# Altium PCB WaterSupplyController.PcbDoc (part 1 of 2)
Units mm, origin at the board's own origin, x right, y up, seen from the top; angles counter-clockwise.
Board outline 96 x 90 mm, 2 copper layers (Top Layer, Bottom Layer), stack 1.569 mm thick; 174 components, 120 nets, 529 pads, 451 vias.
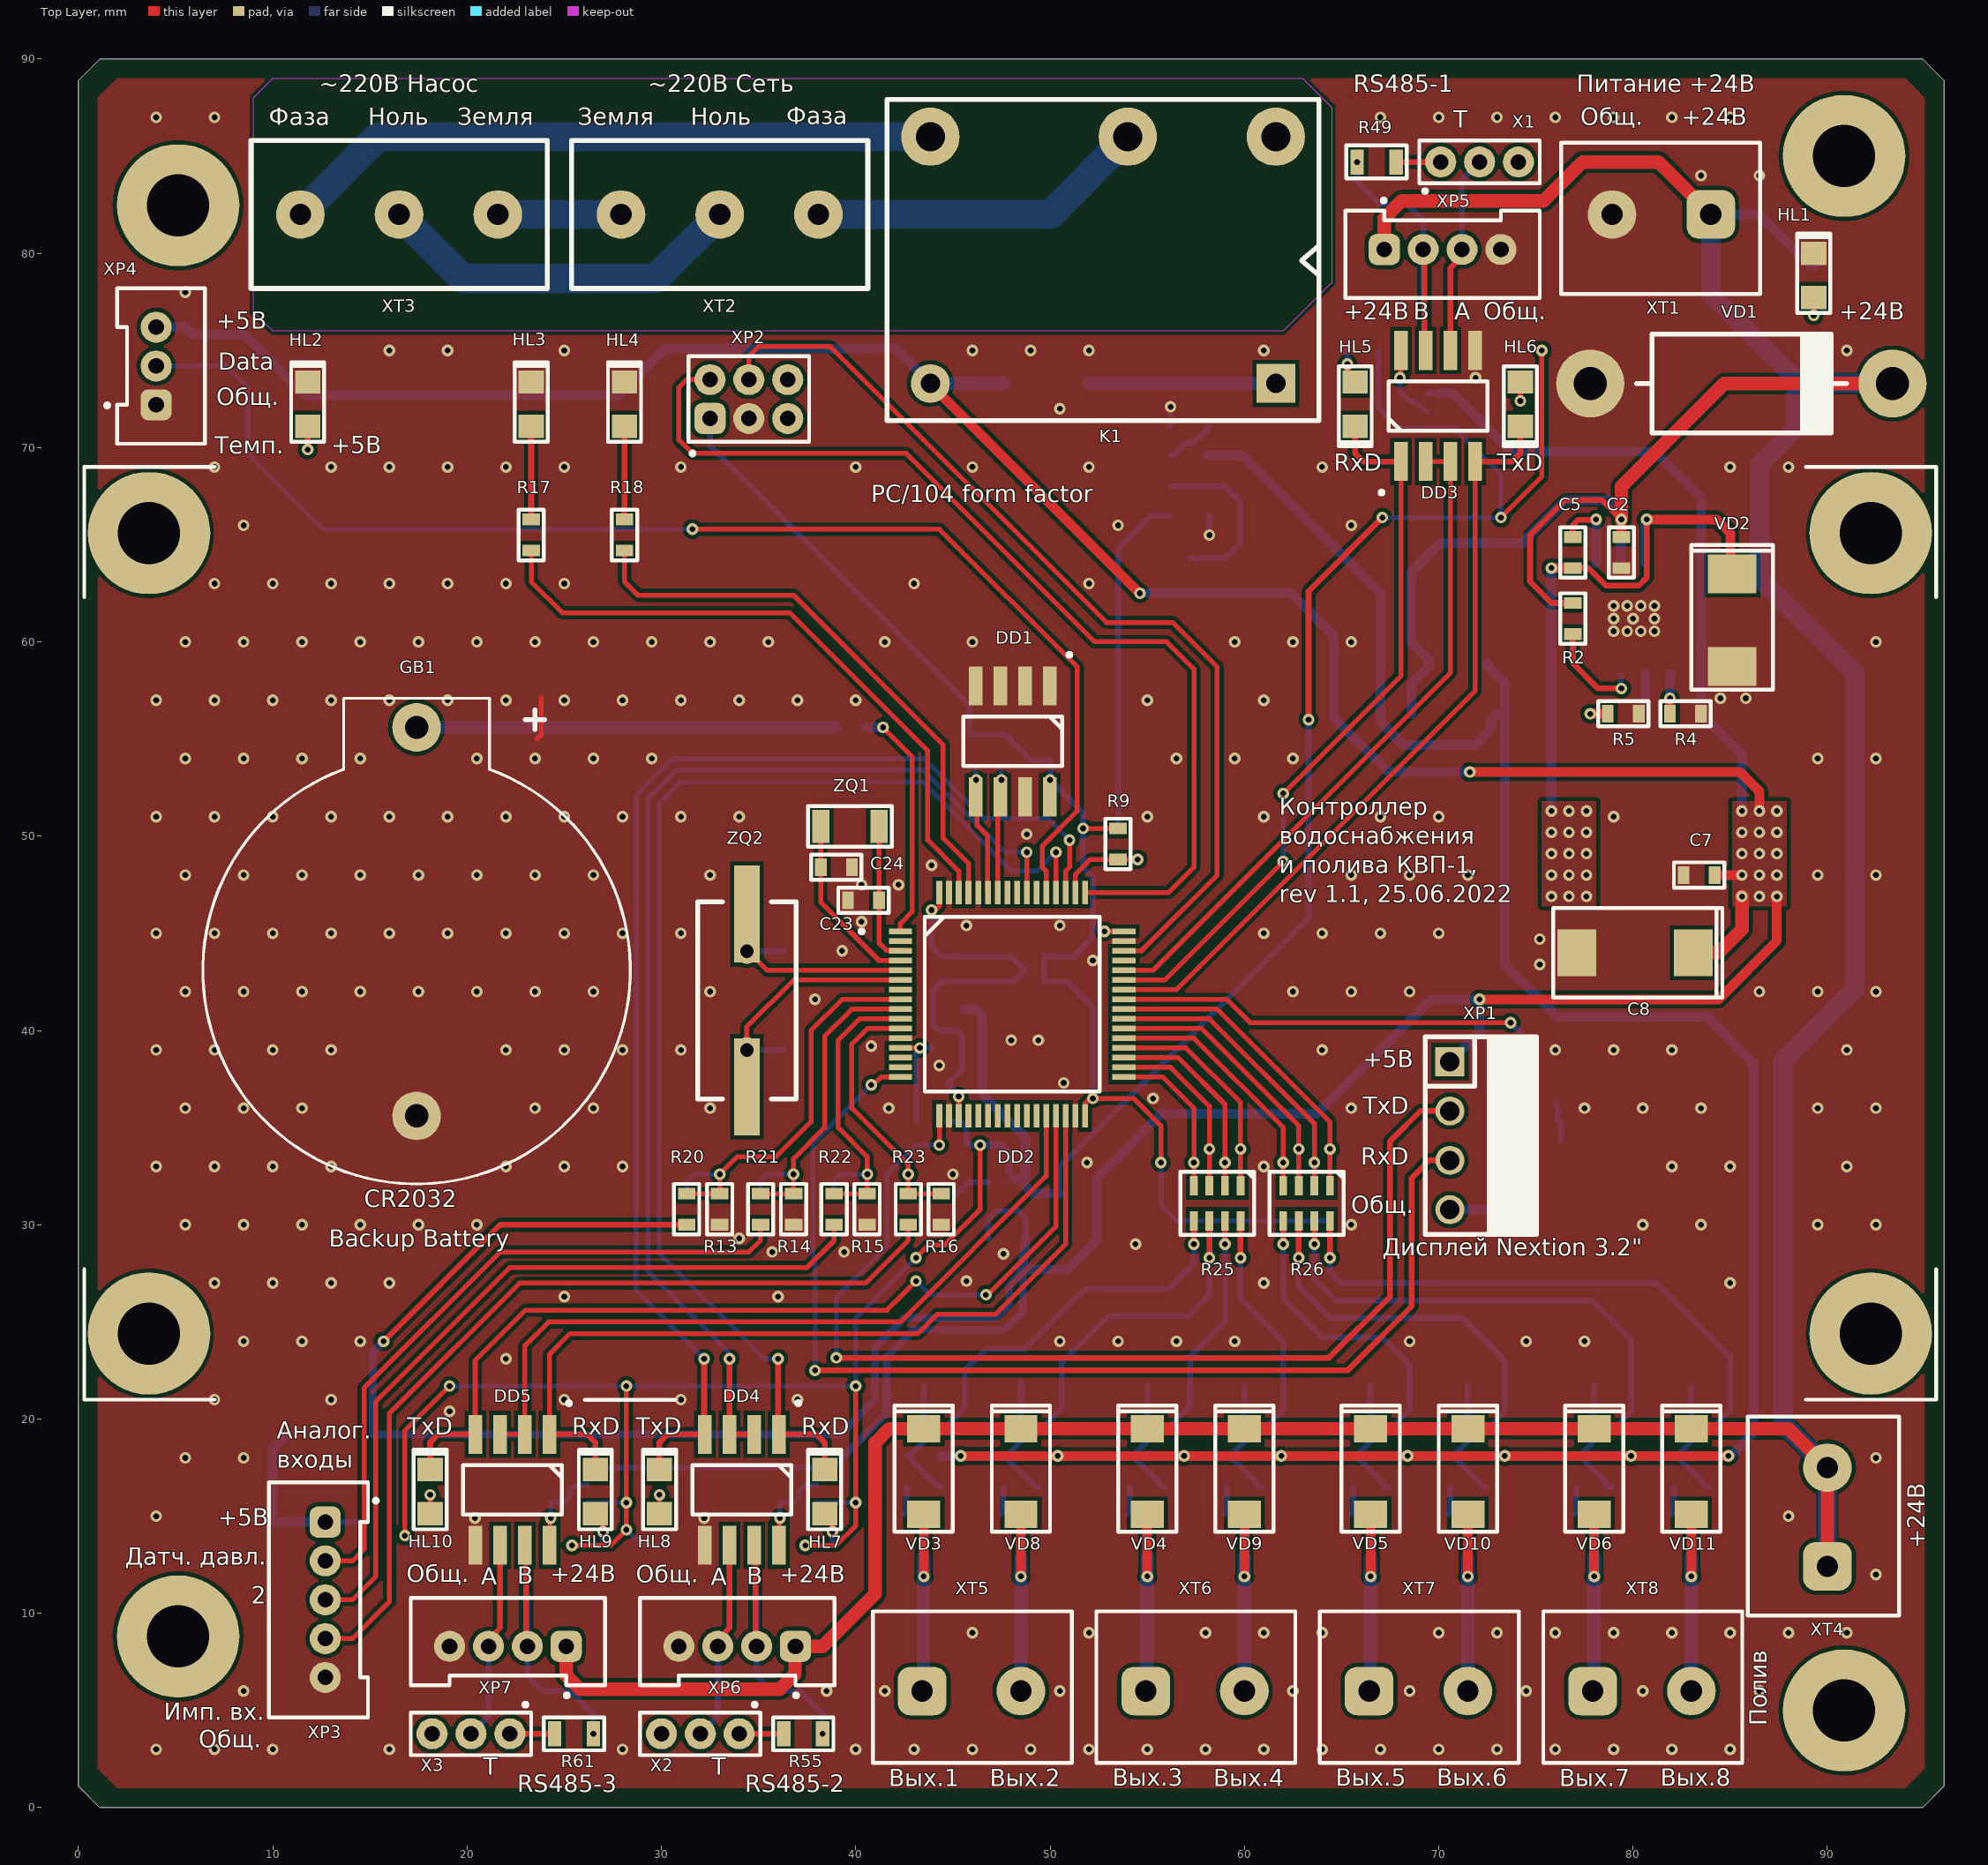
[diagram p0: Top Layer view]
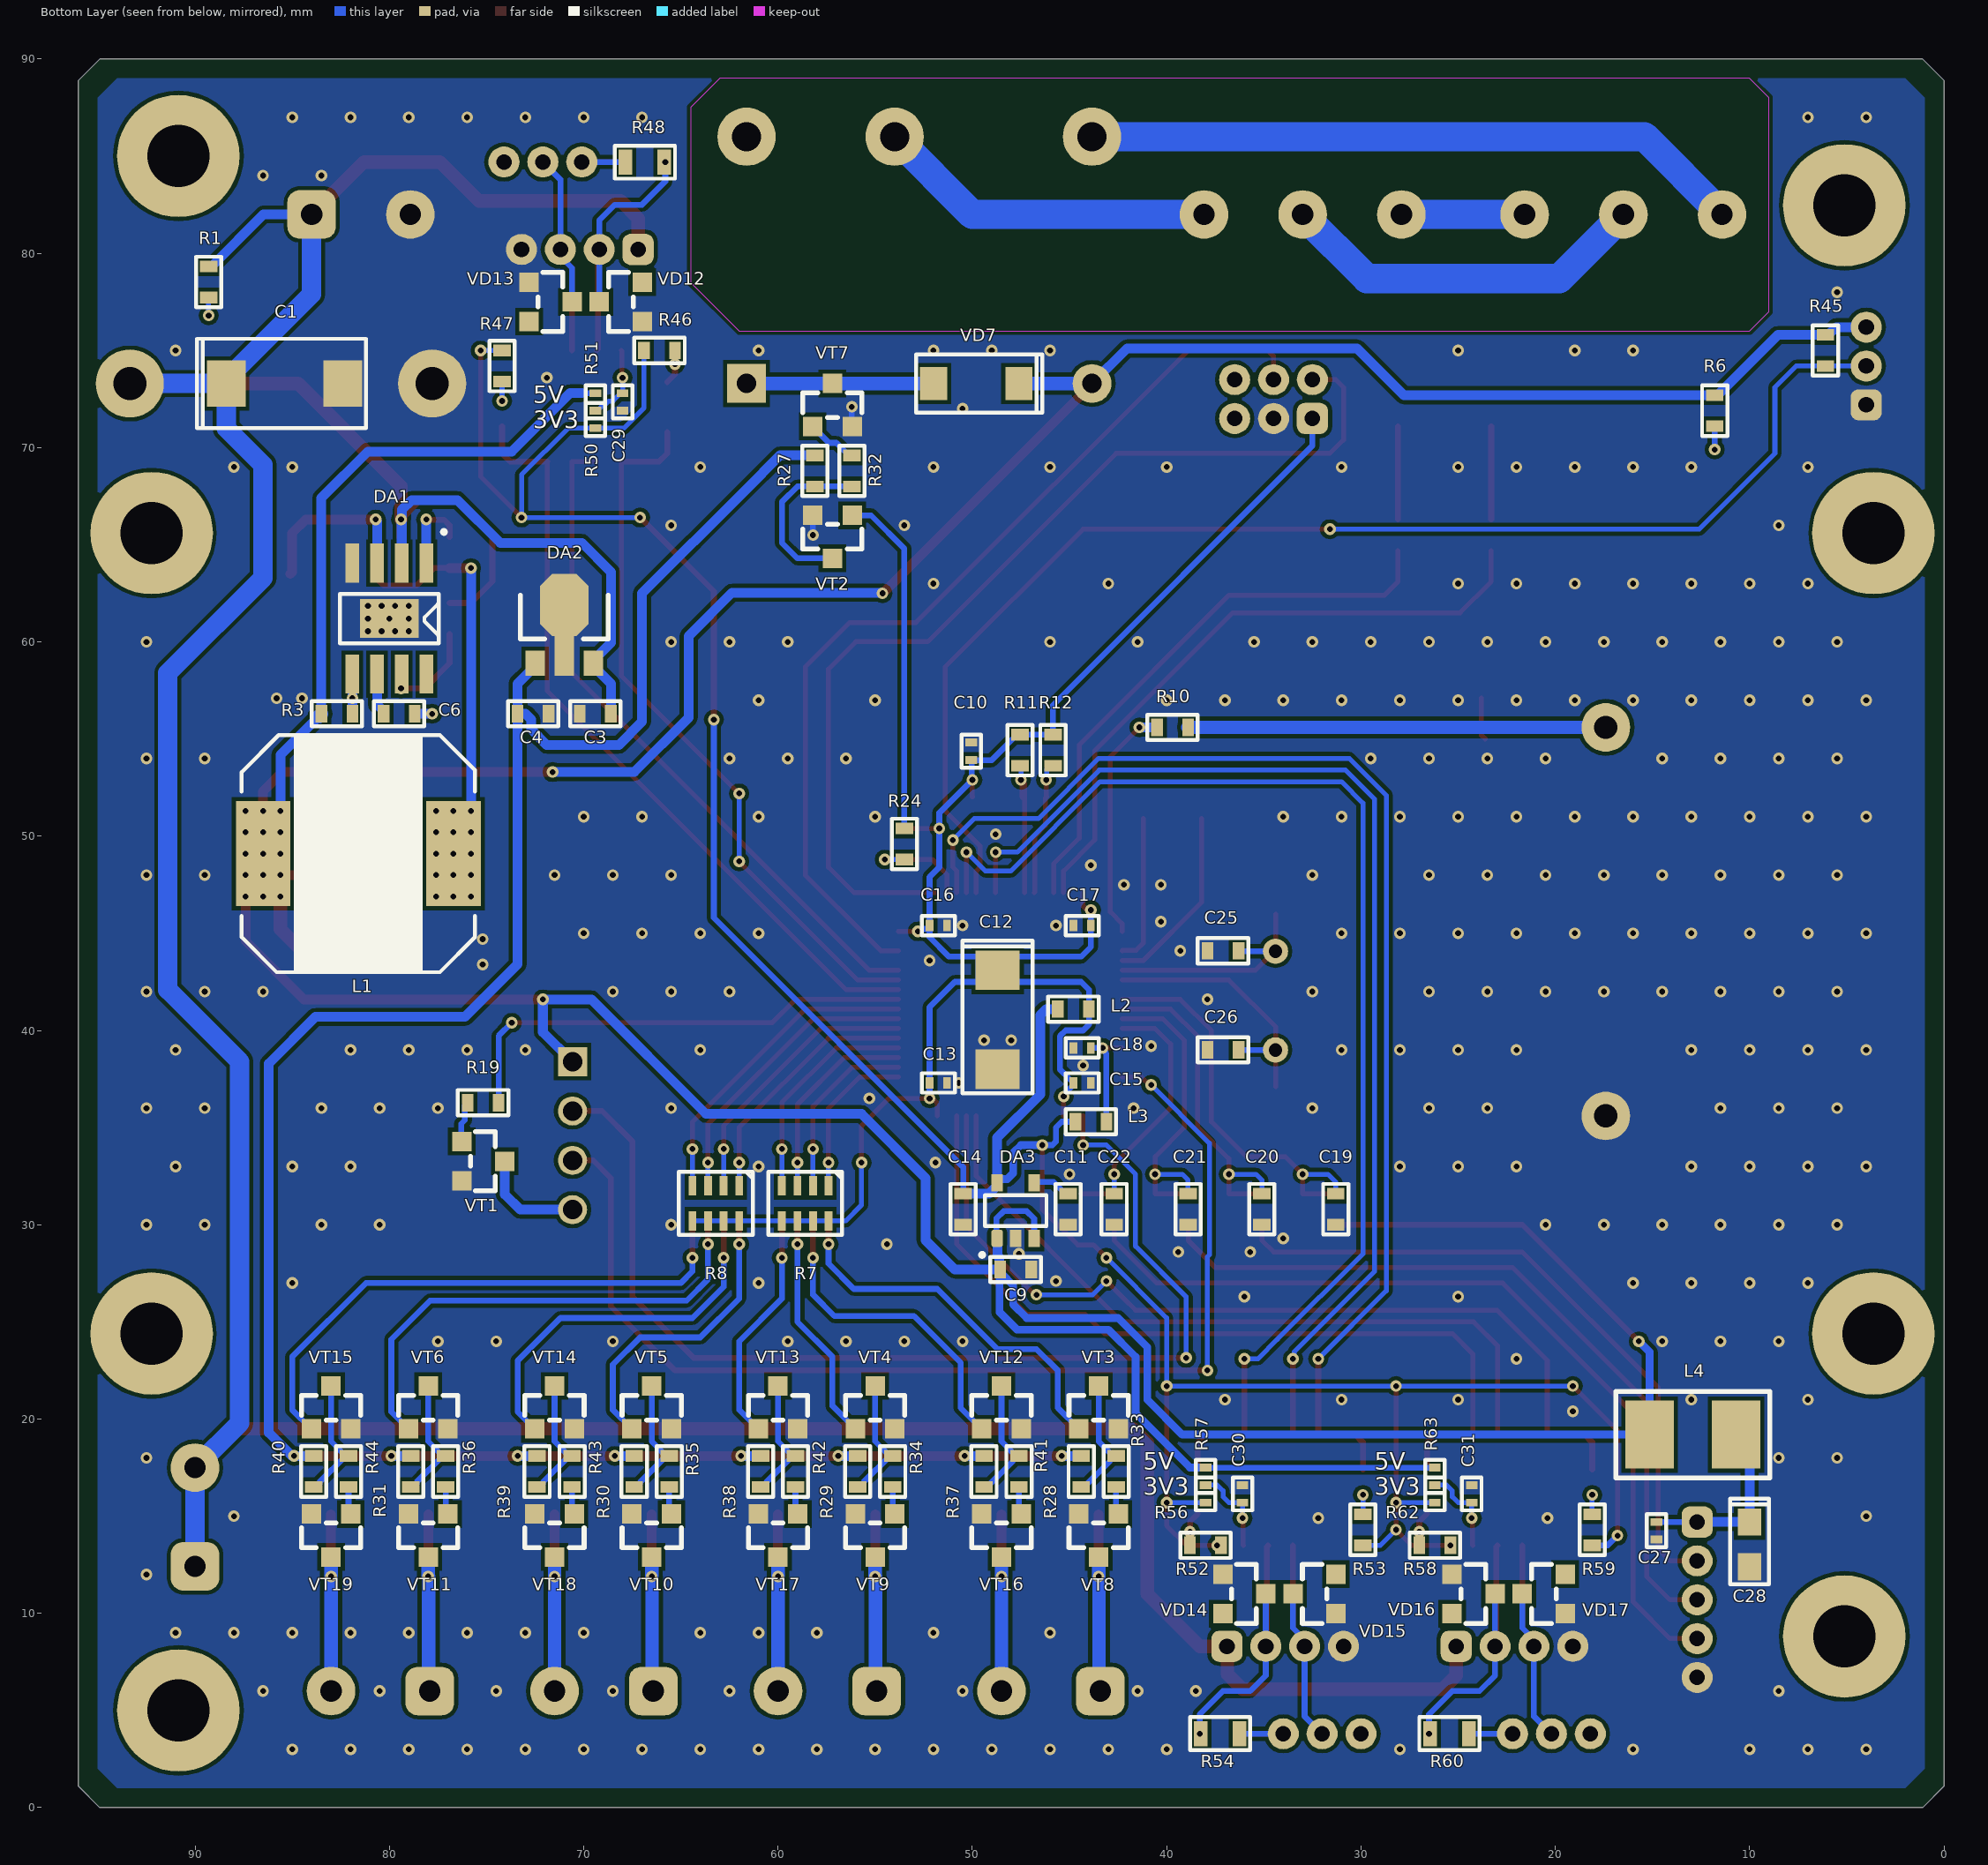
[diagram p1: Bottom Layer view, seen from below]
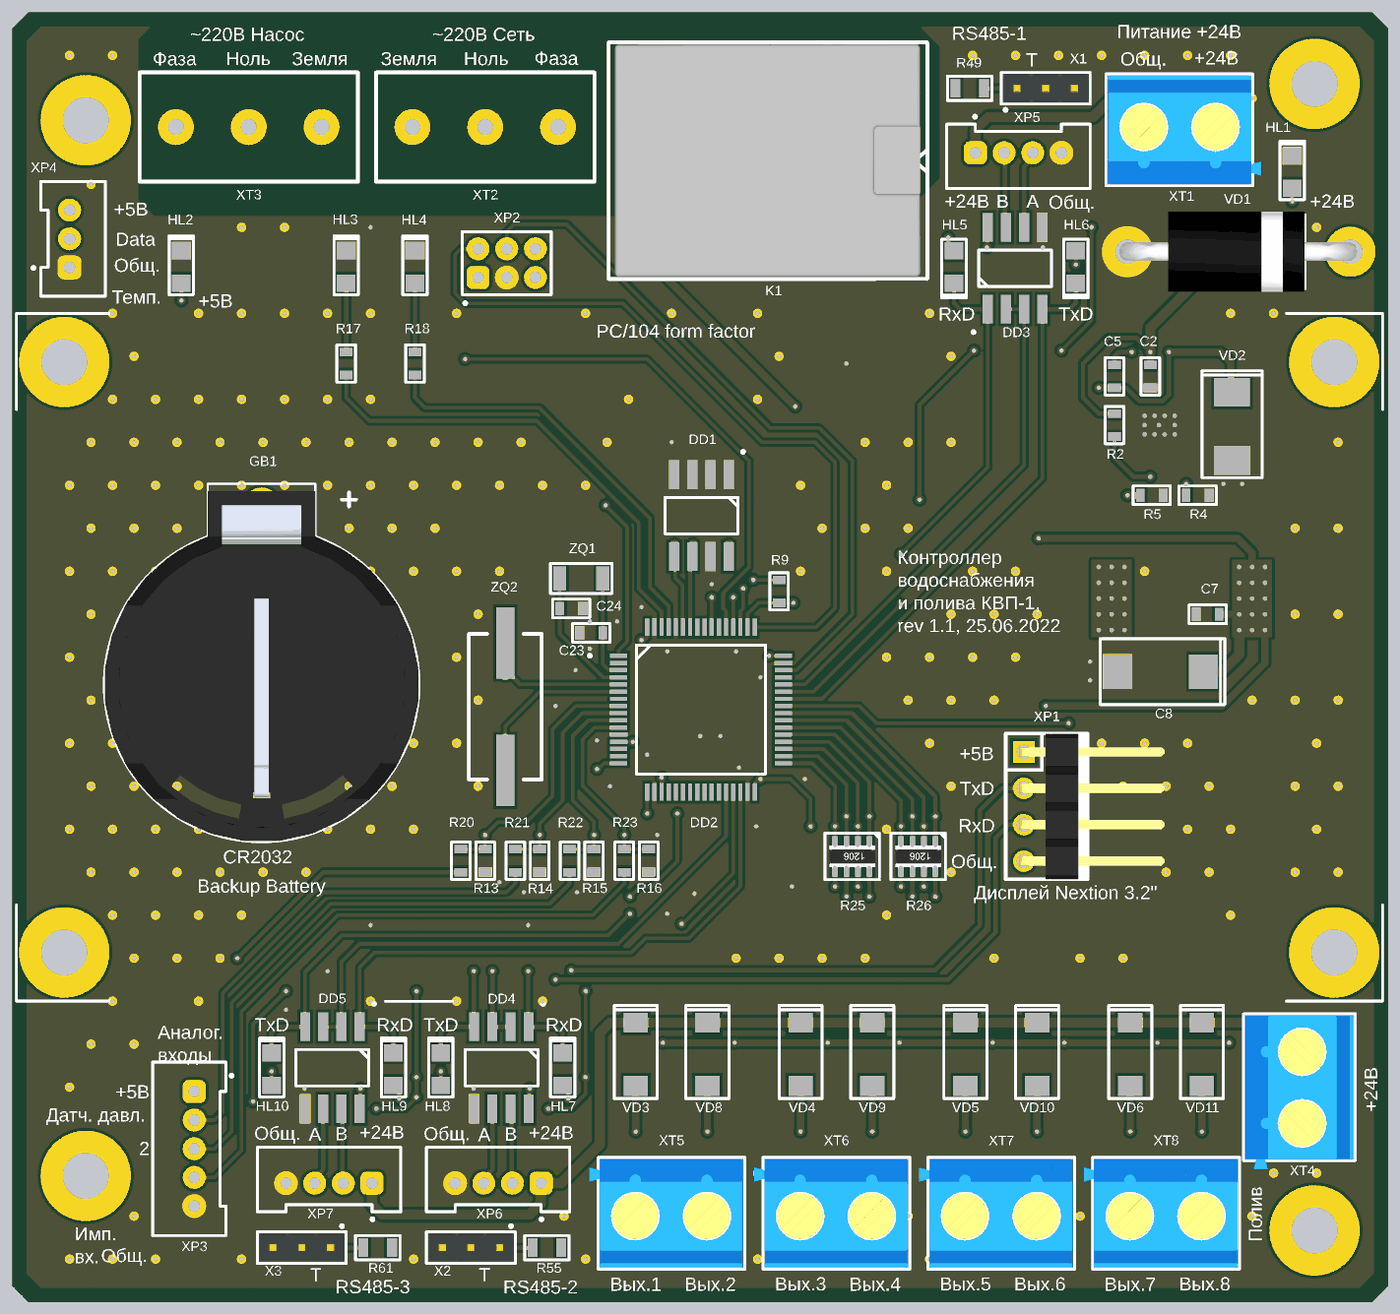
[diagram p3: 3D render of the assembled board from above, using the file's embedded part models]
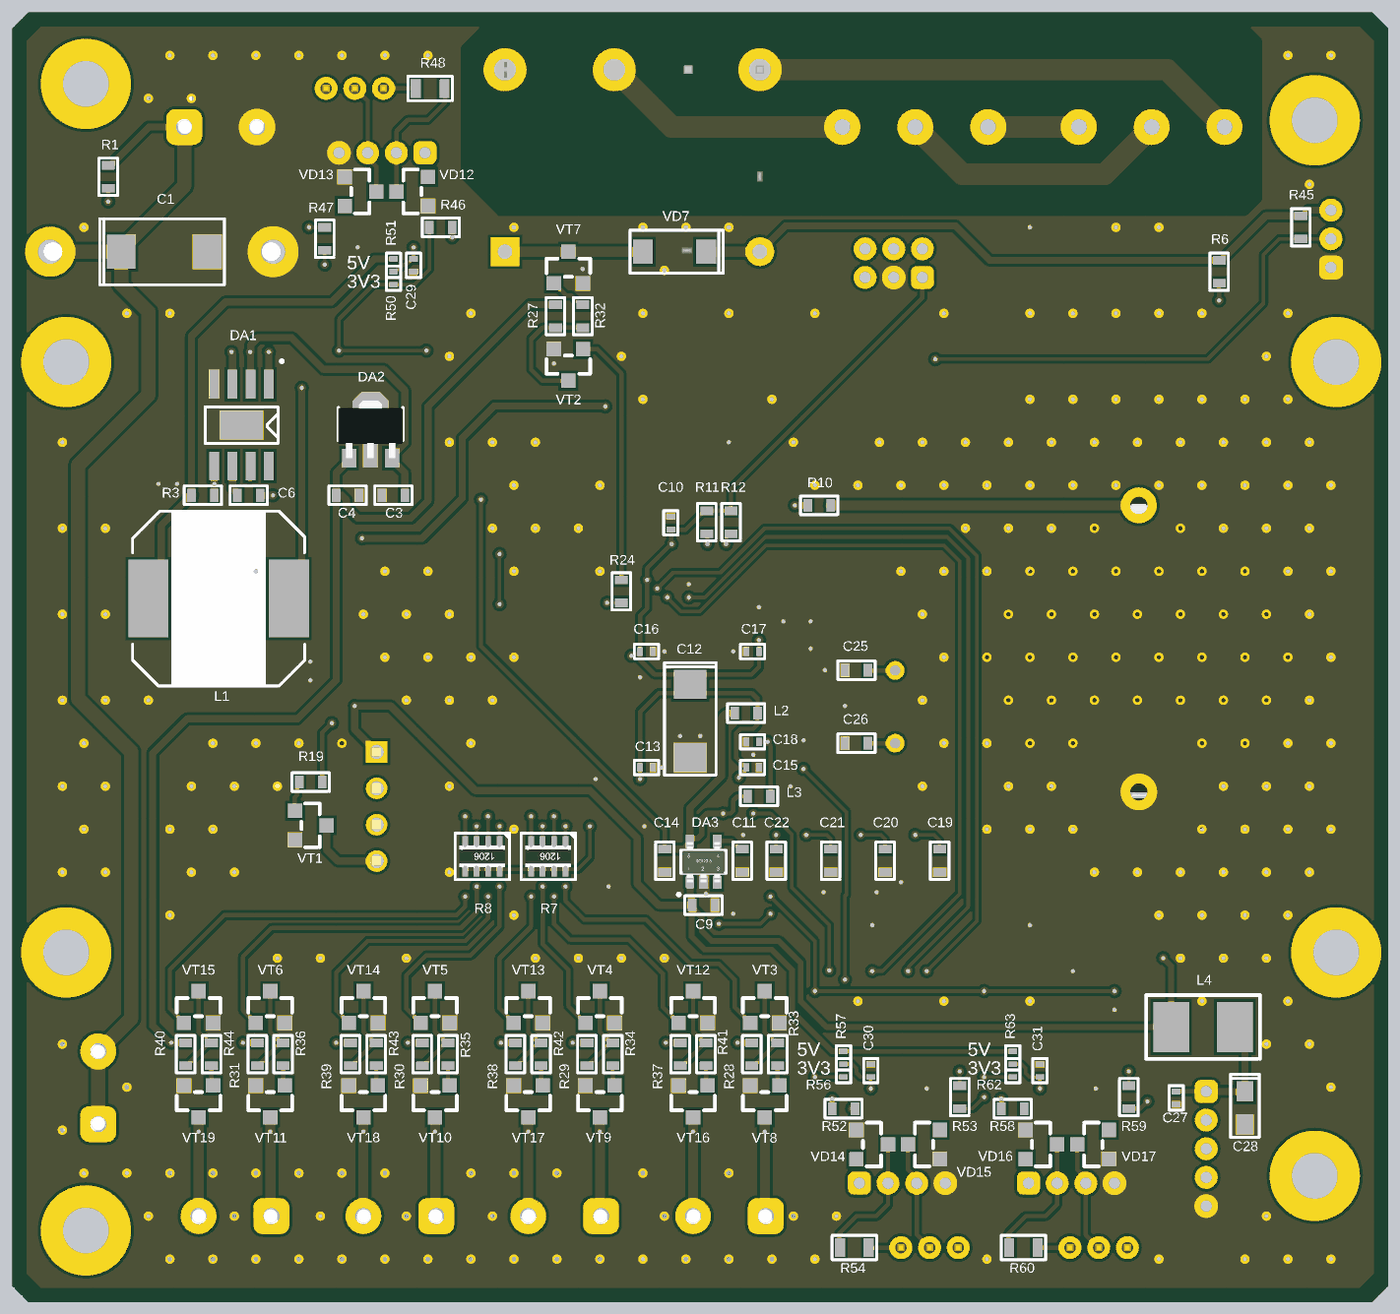
[diagram p4: 3D render of the assembled board from below, using the file's embedded part models]

## Layer stack, top to bottom
Top Solder: solder mask 0.0254, SM-001, Dk 4
Top Layer: signal copper 0.035
Dielectric 1: core 1.4986, Core-043, Dk 4.3
Bottom Layer: signal copper 0.035
Bottom Solder: solder mask 0.0254, SM-001, Dk 4

## Board outline
0,1.1 1.1,0 94.9,0 96,1.1 96,88.9 94.9,90 1.1,90 0,88.9

## Design rules (kind name [scope] priority, off if disabled: settings)
Clearance [All] p1: gap=0.2 ignorepadtopadclearanceinfootprint=TRUE
ComponentClearance [All] p1: gap=0 collisioncheckmode=3 verticalgap=0 showdistances=FALSE
DiffPairsRouting [All] p1: maxlimit=0.2 minlimit=0.2 mostfreqgap=0.2 toplayer_minwidth=0.2 toplayer_maxwidth=0.2 toplayer_prefwidth=0.2 bottomlayer_minwidth=0.2 bottomlayer_maxwidth=0.2 bottomlayer_prefwidth=0.2 impedanceprofiledriven=TRUE maxuncoupledlength=12.7
HoleSize [All] p1: absolutevalues=TRUE maxlimit=5 minlimit=0.3 maxpercent=80.000 minpercent=20.000
HoleToHoleClearance [All] p1: gap=0.3 allowstackedmicrovias=TRUE
MatchedLengths "MatchedLengths Eth_TX" [InDifferentialPairClass('Eth_TX')] p1: tolerance=0.25 checknetsindiffpair=TRUE checkdiffpairvsdiffpair=FALSE checkxsignals=FALSE checkothers=FALSE
MatchedLengths "MatchedLengths Eth_RX" [InDifferentialPairClass('Eth_RX')] p2: tolerance=0.25 checknetsindiffpair=TRUE checkdiffpairvsdiffpair=FALSE checkxsignals=FALSE checkothers=FALSE
MinimumSolderMaskSliver [All] p1: minsoldermaskwidth=0.15
PlaneClearance [All] p1: clearance=0.2
PlaneConnect [All] p1: planeconnectstyle=Direct reliefexpansion=0.508 reliefentries=4 reliefconductorwidth=0.254 reliefairgap=0.254
PolygonConnect [All] p1: connectstyle=Direct reliefconductorwidth=0.254 reliefentries=4 polygonreliefangle="90 Angle" airgapwidth=0.254
RoomDefinition C1 [InComponentClass('C1')] p1: confinementstyle=ConfineIn formatcopy=TRUE lockcomponents=FALSE outline 75.4,67.3 75.4,89.1 64.6,89.1 64.6,67.3
RoomDefinition C2 [InComponentClass('C2')] p2: confinementstyle=ConfineIn formatcopy=TRUE lockcomponents=FALSE outline 28.5,21.2 28.5,0.4 39.7,0.4 39.7,21.2
RoomDefinition C3 [InComponentClass('C3')] p3: confinementstyle=ConfineIn formatcopy=TRUE lockcomponents=FALSE outline 16.7,21.2 16.7,0.4 27.9,0.4 27.9,21.2
RoutingCorners [All] p1: cornerstyle=45-Degree minsetback=1 maxsetback=3
RoutingVias [All] p1: holewidth=0.3 width=0.6 viastyle="Through Hole" minholewidth=0.3 minwidth=0.6 maxholewidth=5 maxwidth=8
SilkToSilkClearance [All] p1: silktosilkclearance=0.15
SilkToSolderMaskClearance [IsPad] p1: minsilkscreentomaskgap=0.025 clearancetoexposedcopper=TRUE
SolderMaskExpansion [All] p1: expansion=0.025 istentingtop=FALSE
UnRoutedNet [All] p1: checkbadconnections=TRUE
Width "Width Impedance S_50" [InNetClass('Z_S50')] p1: maxlimit=0.32 minlimit=0.25 preferedwidth=0.25 minimp=50.000000 maximp=50.000000 favimp=50.000000
Width [All] p2: maxlimit=3 minlimit=0.15 preferedwidth=0.25
19 further rules are at their usual default settings.

## Classes and differential pairs
net class TXD[1..3]: TXD1 TXD2 TXD3
net class RXD[1..3]: RXD1 RXD2 RXD3
net class EN_TXD/R\X\D\[1..3]: EN_TXD/R\X\D\1 EN_TXD/R\X\D\2 EN_TXD/R\X\D\3
component class M2: C9 C10 C11 C12 C13 C14 C15 C16 C17 C18 C19 C20 C21 C22 C23 C24 C25 C26 DA3 DD1 DD2 GB1 HL3 HL4 L2 L3 R7 R8 R9 R10 R11 R12 R13 R14 R15 R16 R17 R18 R19 R20 R21 R22 R23 VT1 XP1 XP2 ZQ1 ZQ2
channel class "5 Com channel": C1 C2 C3
component class C1: C29 DD3 HL5 HL6 R46 R47 R48 R49 R50 R51 VD12 VD13 X1 XP5
component class C3: C31 DD5 HL9 HL10 R58 R59 R60 R61 R62 R63 VD16 VD17 X3 XP7
component class C2: C30 DD4 HL7 HL8 R52 R53 R54 R55 R56 R57 VD14 VD15 X2 XP6
component class M3: C1 C2 C3 C4 C5 C6 C7 C8 DA1 DA2 HL1 HL2 L1 R1 R2 R3 R4 R5 R6 VD1 VD2 XT1
component class M1: C27 C28 K1 L4 R24 R25 R26 R27 R28 R29 R30 R31 R32 R33 R34 R35 R36 R37 R38 R39 R40 R41 R42 R43 R44 R45 VD3 VD4 VD5 VD6 VD7 VD8 VD9 VD10 VD11 VT2 VT3 VT4 VT5 VT6 VT7 VT8 VT9 VT10 VT11 VT12 VT13 VT14 VT15 VT16 VT17 VT18 VT19 XP3 XP4 XT2 XT3 XT4 XT5 XT6 XT7 XT8
